# Allegro board RK3576_TEMPLATE_LP4XD200P132SD6_24X34_2133MHz_H1R0_V11_20240529YWQ.brd (continued)
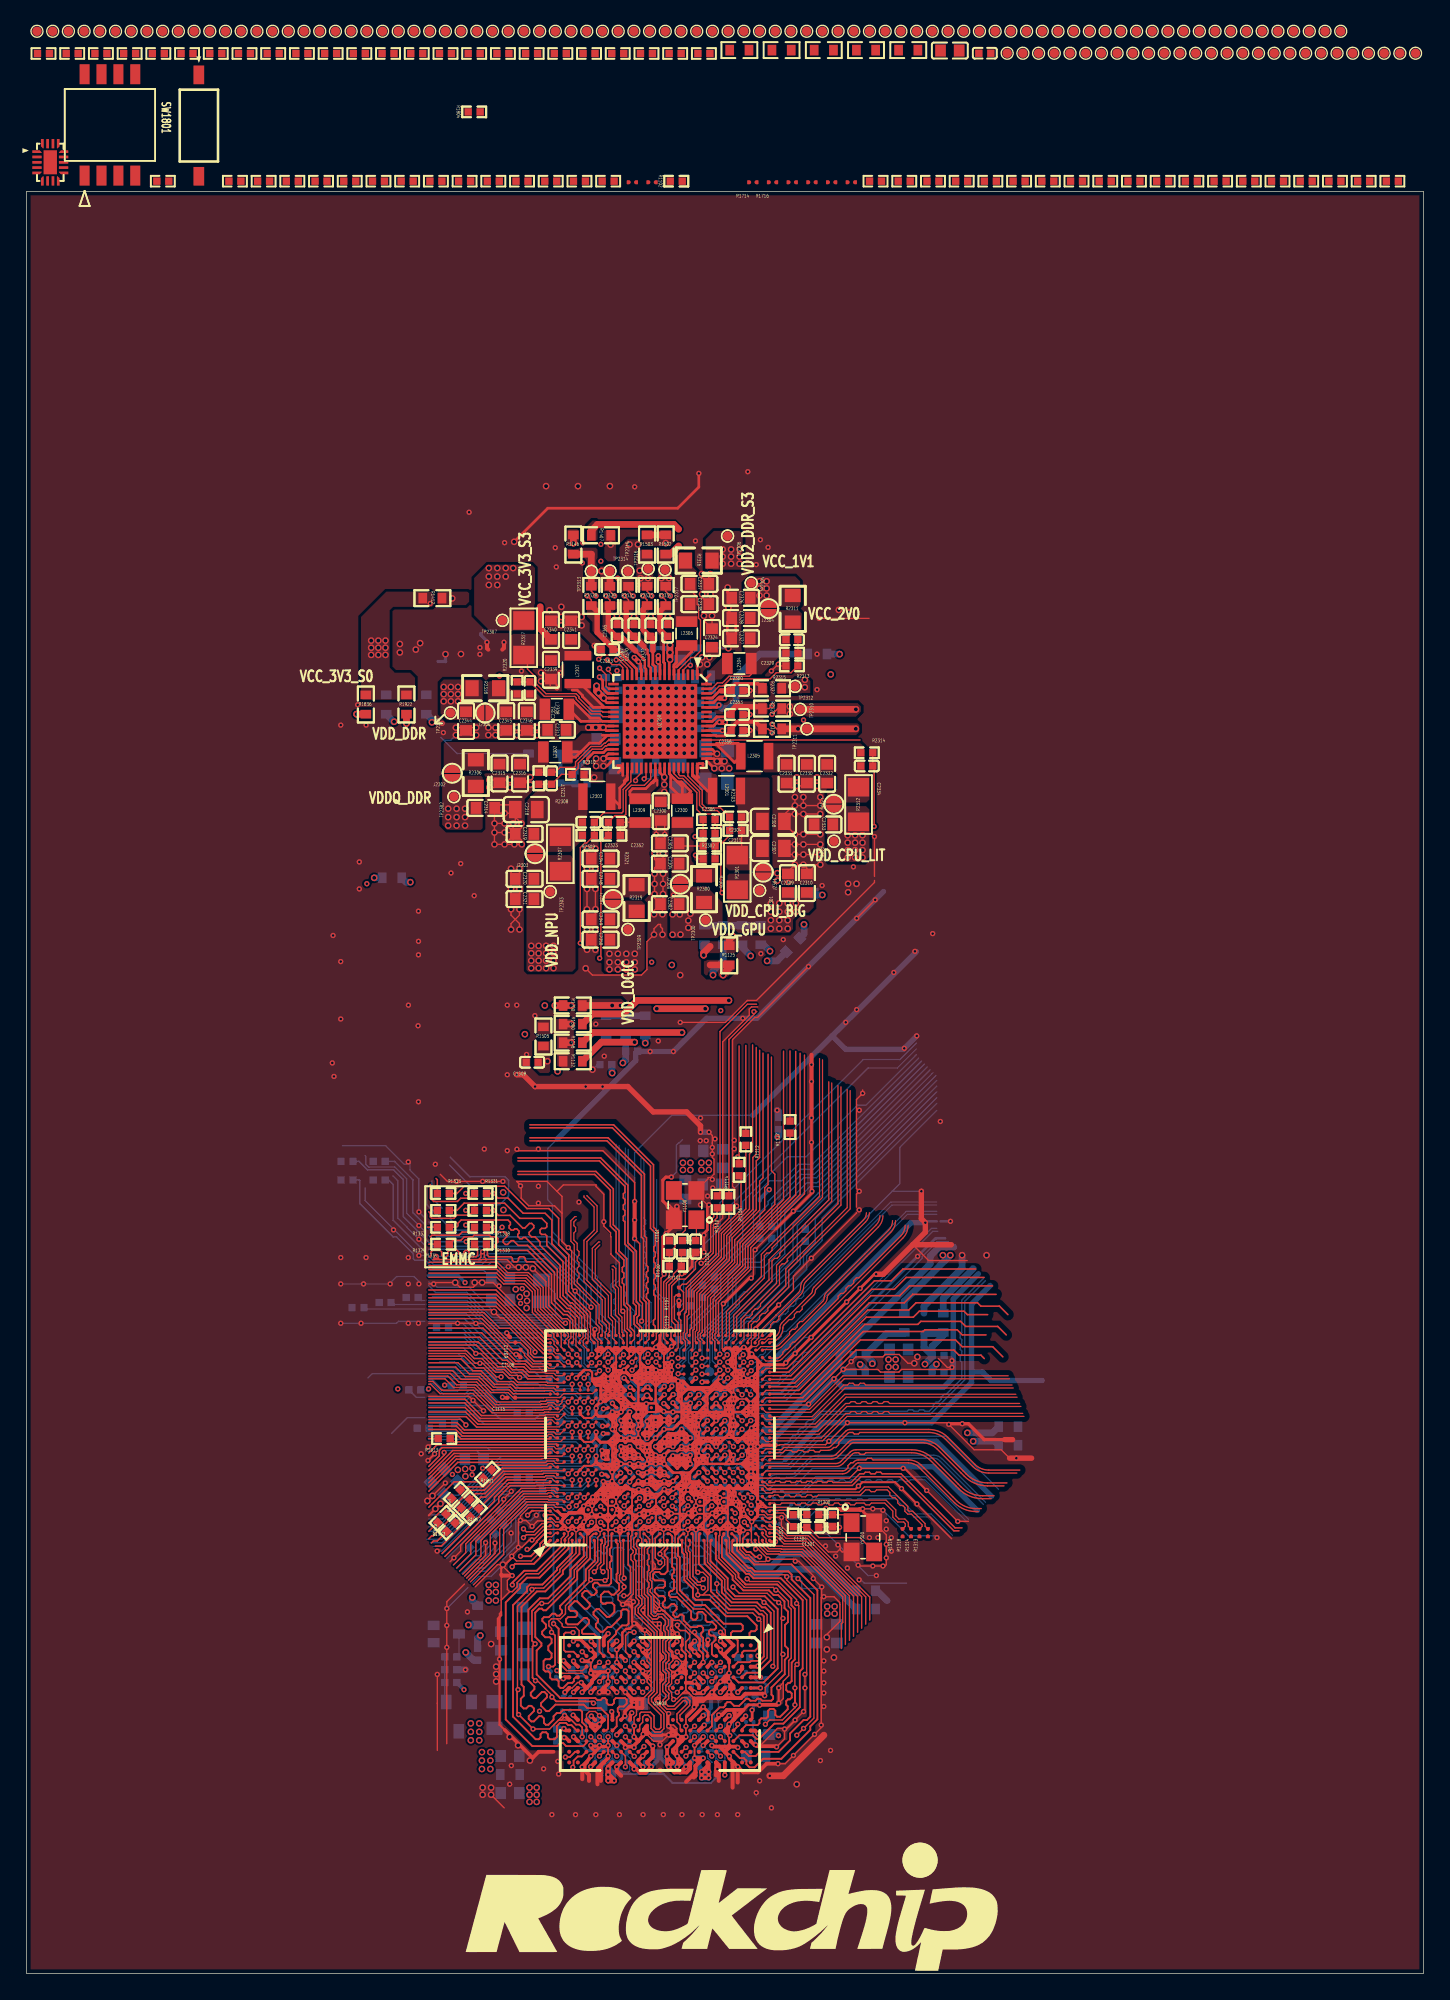
[diagram p0: board, top side]
## Routing (per net, layer and track width the routed paths; a pad name or vN(x,y) marks a point on that pad's centre or on a via; arc(x,y) is an arc through that point) (continued)
PWRON_L: length 2.6
  TOP w0.102: U2300.4 49.38,98 49.72,98.35 v1(49.91,98.35)
  BOTTOM w0.102: v1(49.91,98.35) 49.91,99.06 C2369.1
RESET_L: length 37.7
  TOP w0.102: v1(46.44,89.81) 46.57,89.95 U2300.40 ; 54.9,72.31 v1(54.69,72.31) 54.69,72.1 52.81,70.22 R1106.2
  L4-SIG w0.102: v1(46.44,89.81) 46.44,89.2 48.64,87 48.64,81.59 50.9,79.33 50.9,77.14 52.83,75.21 52.83,74.17 v1(54.69,72.31)
  BOTTOM w0.102: C2366.1 46.85,89.81 v1(46.44,89.81)
RTC_INT_L: length 16
  TOP w0.102: 54.89,72.87 54.2,72.87 52.14,70.81 52.14,58.68 R1110.2
SAI1_LRCK_M0: length 1.8
  BOTTOM w0.102: 32.09,30.71 33.33,31.94 R1806.2
SAI1_MCLK_M0: length 4.5
  BOTTOM w0.102: 31.59,31.21 34.5,34.12 R1802.2
SAI1_SCLK_M0: length 4.1
  BOTTOM w0.102: 32.55,30.25 33.71,31.4 34.07,31.4 34.87,32.2 34.87,32.66 R1803.2
SARADC_AVDD1V8: length 37.1
  TOP w0.203: v1(43.37,42.45) 43.64,42.45 U1000.2A10
  L4-SIG w0.178: v1(43.37,42.45) 43.05,42.13 40.87,42.13 40.26,42.74 39.92,42.74
  L4-SIG w0.508: 33.26,68.33 33.26,62.75 33.66,62.36 33.66,54.51 32.97,53.82 v1(32.97,51.94) 32.97,48.82 36.43,45.36 37.3,45.36 39.92,42.74
  BOTTOM w0.254: v1(32.97,51.94) 32.46,52.45 30.22,52.45
  BOTTOM w0.305: v1(43.37,42.45) 43.37,42.38 43.12,42.12 C1116.1
SARADC_VIN0_BOOT: length 10.6
  TOP w0.102: 30.24,49.23 34.24,49.23 35.05,48.42 36.58,46.89 37.13,46.89 C1108.1 37.44,46.58 37.44,46.46 38.07,45.83 39.3,45.83 U1000.A25
SARADC_VIN1_KEY/RECOVERY: length 12
  TOP w0.102: U1000.1A22 40.05,46.03 38.15,46.03 37.69,46.49 37.69,46.86 37.12,47.44 C1109.1 36.32,47.44 34.27,49.49 30.24,49.49
SARADC_VIN2_HW_ID: length 11.2
  TOP w0.102: U1000.1B19 v1(41.02,44.3)
  BOTTOM w0.102: 31.06,45.97 32.17,45.97 32.63,45.52 35.85,45.52 36.99,44.38 C1110.1 38.41,44.38 38.62,44.17 40.9,44.17 v1(41.02,44.3)
SARADC_VIN3_HP_HOOK: length 13.4
  TOP w0.102: v1(41.63,44.3) U1000.1C19
  BOTTOM w0.102: 30.24,45.54 32.18,45.54 32.41,45.32 35.71,45.32 37.06,43.96 41.51,43.96 41.66,43.81 41.83,43.81 C1111.1 41.95,43.97 v1(41.63,44.3)
SARADC_VIN4: length 13.8
  TOP w0.102: U1000.1E18 v1(42.53,42.96)
  BOTTOM w0.102: 30.24,45.34 32.1,45.34 32.32,45.11 34.91,45.11 35.53,44.49 36.25,44.49 36.98,43.76 41.33,43.76 41.76,43.33 C1112.1 42.53,43.05 v1(42.53,42.96)
SARADC_VIN5: length 14.5
  TOP w0.102: U1000.1D19 v1(42.23,44.3)
  BOTTOM w0.102: 30.24,48.13 32.86,48.13 33.82,47.18 36.98,47.18 38.18,45.97 38.61,45.97 39.24,45.34 41.81,45.34 42.41,44.74 C1113.1 42.41,44.48 v1(42.23,44.3)
SARADC_VIN6: length 13.5
  TOP w0.102: U1000.1D21 v1(41.93,44.76)
  BOTTOM w0.102: v1(41.93,44.76) 41.58,45.11 38.97,45.11 38.48,45.59 38.06,45.59 C1114.1 37.15,46.5 37.15,46.71 36.91,46.96 33.74,46.96 32.93,47.77 30.24,47.77
SARADC_VIN7_LCD_ID: length 13.7
  TOP w0.089: 38.86,43.29 39.12,43.29 40.08,43.29 40.38,43.59 42.56,43.59 U1000.1E19
  TOP w0.102: 30.24,45.31 32.03,45.31 32.68,44.66 33.93,44.66 34.92,43.67 36.21,43.67 36.59,43.28 C1115.1 38.85,43.28 38.86,43.29
SDMMC0_CLK/UART5_TX_M2/I2C5_SCL_M0: length 10
  BOTTOM w0.114: 30.24,47.06 32.83,47.06 33.63,46.25 36.05,46.25 37.06,45.23 38.21,45.23 38.76,44.68 R1353.2
SDMMC0_CMD/UART5_RX_M2/I2C5_SDA_M0: length 11.4
  TOP w0.089: U1000.1A21 40.31,44.94 39.81,44.94 39.64,45.11 39.07,45.11 39,45.19
  TOP w0.114: 30.24,47.83 34.07,47.83 35.79,46.1 36.12,46.1 36.62,45.6 37.39,45.6 37.8,45.19 39,45.19
SDMMC0_D0/CAN0_RX_M0: length 10.9
  TOP w0.089: U1000.B24 39.83,45.3 39.17,45.3 39.07,45.41
  TOP w0.114: 30.24,48.17 34.21,48.17 36.02,46.36 36.17,46.36 36.71,45.82 37.48,45.82 37.89,45.41 39.07,45.41
SDMMC0_D1/CAN0_TX_M0: length 11
  TOP w0.089: U1000.B25 39.66,45.49 39.26,45.49 39.13,45.62 39.12,45.62
  TOP w0.114: 39.12,45.62 37.98,45.62 37.57,46.03 36.8,46.03 34.32,48.51 30.24,48.51
SDMMC0_D2/JTAG_TCK_M0: length 10.2
  TOP w0.114: U1000.A23 39.34,44.7 37.68,44.7 37.21,45.17 36.44,45.17 36,45.61 35.43,45.61 33.8,47.24 30.24,47.24
SDMMC0_D3/JTAG_TMS_M0: length 10.9
  TOP w0.089: U1000.B23 39.77,44.66 39.5,44.93 39.13,44.93 39.11,44.91
  TOP w0.114: 30.24,47.48 33.95,47.48 35.59,45.85 36.07,45.85 36.53,45.39 37.3,45.39 37.77,44.91 39.11,44.91
SDMMC0_DET_L: length 18
  BOTTOM w0.114: 67.29,68.59 59.15,60.45 58.18,60.45 55.75,58.03 55.75,57.82 55.14,57.21 R1117.2
SDMMC0_PWREN_H: length 25.2
  TOP w0.089: U1000.1Y24 51.74,46.94 51.74,47.52 51.57,47.69 51.57,48.15 51.62,48.2 51.62,48.39
  TOP w0.102: 57.83,69.31 57.83,58.52 54.05,54.74 54.05,53.1 51.62,50.68 51.62,48.39
SDMMC1_CLK_M0: length 10.1
  BOTTOM w0.114: 30.24,49.24 32.91,49.24 34.35,47.79 38.55,47.79 R1813.2
SDMMC1_CMD_M0: length 11.3
  TOP w0.102: U1000.B26 39.8,46.31 39.52,46.58 39.24,46.58
  TOP w0.114: 30.24,50.14 35.31,50.14 38.85,46.6 39.23,46.6 39.24,46.58
SDMMC1_D0_M0: length 10.6
  TOP w0.114: 30.24,51.05 35.31,51.05 38.49,47.88 38.49,47.87 38.95,47.41 U1000.A28
SDMMC1_D1_M0: length 11.8
  TOP w0.089: U1000.B27 39.92,47.03 39.66,47.3 39.66,47.51 39.47,47.69 39.25,47.69
  TOP w0.114: 39.25,47.69 38.97,47.69 38.7,47.96 38.7,47.97 35.29,51.38 30.24,51.38
SDMMC1_D2_M0: length 12.2
  TOP w0.089: U1000.1A23 40.09,46.59 39.81,46.59 39.64,46.76 39.64,46.97 39.49,47.13 39.24,47.13
  TOP w0.114: 30.24,50.79 35.27,50.79 38.28,47.79 38.28,47.78 38.93,47.13 39.24,47.13
SDMMC1_D3_M0: length 10.6
  TOP w0.114: U1000.A27 38.9,46.86 38.06,47.69 35.31,50.45 30.24,50.45
TP_INT_L: length 27.7
  TOP w0.102: U1000.1AA22 v1(52.72,45.36)
  BOTTOM w0.102: v1(52.72,45.36) 53.06,45.69 53.06,46.61 52.66,47 52.66,47.53 54.15,49.02 54.75,49.02 58.65,52.92 58.65,53.93 59.82,55.1 59.82,56.8 68.44,65.42
TP_RST_L: length 30.4
  TOP w0.102: v1(50.79,46.26) U1000.1W23
  BOTTOM w0.102: 67.94,67.94 59.48,59.47 arc(59.44,59.45) 59.39,59.44 58.71,59.44 arc(58.66,59.43) 58.62,59.4 56.75,57.53 arc(56.72,57.49) 56.71,57.44 56.71,54.36 55.44,53.09 54.1,53.09 53.34,52.32 53.34,50.28 arc(53.33,50.23) 53.3,50.19 50.83,47.71 arc(50.8,47.67) 50.79,47.62 v1(50.79,46.26)
TSADC_CTRL_M0: length 4.6
  TOP w0.089: U1000.1R24 48.99,47.03 48.99,48.39
  TOP w0.102: 48.99,48.39 48.99,48.92 48.71,49.21 48.71,50.87 48.85,51.01 R1107.2
TYPEC_DPTX_AUX_PUPDCTL1: length 10.6
  TOP w0.089: U1000.B22 39.83,44.2 39.09,44.2 39.04,44.25
  TOP w0.102: 39.04,44.25 36.84,44.25 36.6,44.49 35.39,44.49 34.36,45.52 33.8,45.52 32.91,46.41 30.24,46.41
TYPEC_DPTX_AUX_PUPDCTL2: length 10.7
  TOP w0.089: 39,43.01 39.09,43.1 39.83,43.1 U1000.B20
  TOP w0.102: 39,43.01 38.63,43.01 38.58,42.96 35.34,42.96 33.84,44.46 32.5,44.46 31.85,45.11 30.24,45.11
UART0_RX_M0_DEBUG: length 24
  TOP w0.089: 50.4,48.36 50.28,48.24 50.28,47.5 U1000.AA28
  TOP w0.102: 50.4,48.36 50.4,51.18 52.84,53.62 52.84,55.39 54.86,57.41 54.86,61.09 55.12,61.34 55.12,69.4
UART0_TX_M0_DEBUG: length 24.8
  TOP w0.089: 50.09,48.33 50.09,46.93 U1000.1U24
  TOP w0.102: 54.86,69.61 54.86,61.59 54.61,61.34 54.61,57.44 52.64,55.47 52.64,53.71 50.2,51.26 50.2,48.43 50.09,48.33
UFS_AVDD0V85: length 18.8
  TOP w0.229: U1000.2N2 v1(51.85,37.01)
  BOTTOM w0.305: v1(51.85,37.01) 51.85,36.66 C1302.1 51.74,36.6 51.03,35.89 51.03,33.04 C1303.1
  BOTTOM w0.508: R1320.1 59.39,30.38 56.8,30.38 56.39,29.98 54.73,29.98 54.23,30.48 53.59,30.48 C1303.1
UFS_AVDD1V8: length 17.3
  TOP w0.229: U1000.2P2 v1(52.5,37.01)
  BOTTOM w0.305: v1(52.5,37.01) 52.5,36.72 C1305.1 52.69,36.45 52.69,32.88 C1306.1
  BOTTOM w0.508: R1323.1 62.04,28.77 59.26,31.54 56.96,31.54 56.01,30.59 55.01,30.59 54.48,31.12 53.93,31.12 52.53,32.51 C1306.1
UFS_RX0N: length 14.1
  TOP w0.089: U1000.AL7 55.92,35.9 56.16,35.9 56.22,35.97 56.5,35.97 56.63,35.83 56.91,35.83 57.05,35.97 57.33,35.97 57.46,35.83 57.74,35.83 57.88,35.97 58.16,35.97 58.29,35.83 58.57,35.83 58.7,35.97 58.98,35.97 59.12,35.83 59.4,35.83 59.53,35.97 62.7,35.97 63.08,36.35 63.36,36.35 63.5,36.22 63.78,36.22 63.91,36.35 64.71,36.35 64.91,36.15 64.91,35.96 65.1,35.77 65.3,35.77 65.49,35.57 65.49,35.38 65.69,35.18 65.88,35.18 66.04,35.02 66.04,34.75 66.26,34.53 66.53,34.53 67.34,33.73 67.34,33.61 R1314.1
UFS_RX0P: length 14.3
  TOP w0.089: R1313.1 67.56,33.62 67.56,33.82 66.63,34.75 66.35,34.75 66.26,34.84 66.26,35.11 64.8,36.58 62.99,36.58 62.61,36.19 56.13,36.19 56.07,36.13 55.61,36.13 U1000.AK8
UFS_RX1N: length 12.5
  TOP w0.089: U1000.AL6 55.93,35.36 56.25,35.36 56.36,35.24 56.67,35.24 56.78,35.36 57.73,35.36 57.86,35.23 58.14,35.23 58.27,35.36 58.55,35.36 58.69,35.23 58.97,35.23 59.1,35.36 59.38,35.36 59.52,35.23 59.8,35.23 59.93,35.36 60.21,35.36 60.36,35.21 60.62,35.21 60.77,35.36 61.04,35.36 61.16,35.24 61.43,35.24 61.55,35.36 61.83,35.36 61.97,35.23 62.25,35.23 62.38,35.36 62.97,35.36 63.11,35.23 63.39,35.23 63.52,35.36 64.53,35.36 65.13,34.75 65.13,34.31 65.5,33.94 65.95,33.94 66.07,33.81 66.07,33.62 R1319.1
UFS_RX1P: length 12.6
  TOP w0.089: U1000.AK7 55.6,35.58 64.62,35.58 65.36,34.85 65.36,34.4 65.59,34.16 66.04,34.16 66.3,33.91 66.3,33.62 R1318.1
UFS_SOC_REFCLK: length 1.5
  TOP w0.102: v1(56.21,33.92) 56.2,33.93 55.6,33.93 U1000.AK4
  BOTTOM w0.114: v1(56.21,33.92) 56.35,33.78 R1306.1
UFS_SOC_RSTN: length 1.2
  TOP w0.114: v1(53.97,33.92) 53.97,33.91 U1000.1AD2
  BOTTOM w0.114: R1304.1 54.45,33.45 53.98,33.91 53.98,33.91 v1(53.97,33.92)
UFS_TX0N: length 3
  TOP w0.089: v1(53.92,35.76) U1000.1AC6
  BOTTOM w0.089: R1305.1 56.03,36.09 54.25,36.09 53.92,35.76 v1(53.92,35.76)
UFS_TX0P: length 2.4
  TOP w0.089: v1(54.53,35.76) U1000.1AD6
  BOTTOM w0.089: v1(54.53,35.76) 54.63,35.87 55.2,35.87 55.33,35.73 55.61,35.73 55.75,35.87 56.03,35.87 R1303.1
UFS_TX1N: length 3.5
  TOP w0.089: U1000.1AD5 v1(54.48,35.2)
  BOTTOM w0.089: R1309.1 57.3,35.05 54.63,35.05 54.48,35.2 v1(54.48,35.2)
UFS_TX1P: length 3.8
  TOP w0.089: U1000.1AD4 v1(54.48,34.6)
  BOTTOM w0.089: v1(54.48,34.6) 54.7,34.83 55.19,34.83 55.32,34.69 55.6,34.69 55.74,34.83 56.02,34.83 56.15,34.69 56.43,34.69 56.56,34.83 57.3,34.83 R1307.1
UFS_TX_D0N: length 16
  BOTTOM w0.089: 70.82,34.14 67.63,37.34 59.31,37.34 58.06,36.09 56.99,36.09 R1305.2
UFS_TX_D0P: length 16.8
  BOTTOM w0.089: R1303.2 56.99,35.87 58.15,35.87 58.35,36.06 58.54,36.06 58.74,36.26 58.74,36.45 59.4,37.11 59.81,37.11 59.94,36.98 60.22,36.98 60.36,37.11 60.64,37.11 60.77,36.98 61.05,36.98 61.18,37.11 61.46,37.11 61.6,36.98 61.88,36.98 62.01,37.11 62.59,37.11 62.73,36.98 63,36.98 63.14,37.11 63.42,37.11 63.55,36.98 63.83,36.98 63.97,37.11 64.25,37.11 64.38,36.98 64.66,36.98 64.8,37.11 65.07,37.11 65.21,36.98 65.49,36.98 65.62,37.11 65.9,37.11 66.04,36.98 66.32,36.98 66.45,37.11 67.53,37.11 70.66,33.98
UFS_TX_D1N: length 13.2
  BOTTOM w0.089: R1309.2 58.26,35.05 58.42,35.05 59.28,35.91 65.44,35.91 66.8,34.54 68.01,34.54 69.62,32.93
UFS_TX_D1P: length 13.5
  BOTTOM w0.089: R1307.2 58.26,34.83 58.51,34.83 59.37,35.69 60.3,35.69 60.44,35.55 60.72,35.55 60.85,35.69 61.13,35.69 61.27,35.55 61.55,35.55 61.68,35.69 61.96,35.69 62.1,35.55 62.37,35.55 62.51,35.69 62.79,35.69 62.92,35.55 63.2,35.55 63.34,35.69 65.34,35.69 66.71,34.32 67.91,34.32 69.46,32.78
UFS_TX_REXT: length 0.9
  TOP w0.102: U1000.2R2 v1(53.15,37.01)
  BOTTOM w0.305: v1(53.15,37.01) 53.4,36.76 R1301.1
USB2_HOST1_DM: length 28.9
  TOP w0.107: U1000.2T5 v1(53.8,39.61)
  BOTTOM w0.107: v1(53.8,39.61) 54.04,39.37 54.22,39.37 54.47,39.12 54.78,39.12 54.89,39.23 55.2,39.23 55.31,39.12 55.62,39.12 55.74,39.23 56.04,39.23 56.16,39.12 56.49,39.12 56.82,39.44 56.82,39.61 57.04,39.83 57.2,39.83 57.42,40.04 57.42,40.21 57.63,40.42 57.8,40.42 58.01,40.64 58.01,40.8 58.23,41.02 58.39,41.02 58.61,41.23 58.61,41.4 58.83,41.61 58.99,41.61 59.64,42.26 66.21,42.26 66.32,42.37 66.62,42.37 66.73,42.26 67.04,42.26 67.14,42.37 67.45,42.37 67.55,42.26 67.86,42.26 68.18,42.58 68.18,42.73 68.39,42.95 68.54,42.95 68.76,43.16 68.76,43.31 68.98,43.53 69.13,43.53 70.32,44.72 70.32,45.96 70.2,46.08 70.2,46.38 70.32,46.5 70.32,46.8 70.2,46.92 70.2,47.22 70.32,47.34 70.32,47.65 70.2,47.76 70.2,48.07 70.32,48.18 70.32,50.62 71.93,52.24
USB2_HOST1_DP: length 27.9
  TOP w0.107: U1000.2T4 v1(53.8,38.96)
  BOTTOM w0.107: 72.09,52.08 70.54,50.53 70.54,44.63 67.95,42.04 59.73,42.04 56.59,38.89 54.38,38.89 54.12,39.15 53.99,39.15 v1(53.8,38.96)
USB2_OTG0_DM: length 17.1
  TOP w0.107: 70.33,33.5 69.81,33.5 65.75,37.56 64.33,37.56 64.22,37.68 63.91,37.68 63.79,37.56 63.49,37.56 63.37,37.68 63.07,37.68 62.95,37.56 62.65,37.56 61.99,36.91 60.65,36.91 60.56,37 60.26,37 60.17,36.91 59.86,36.91 59.77,37 59.47,37 59.38,36.91 59.08,36.91 58.99,37 58.68,37 58.59,36.91 58.29,36.91 58.2,37 57.89,37 57.81,36.91 57.5,36.91 57.41,37 57.11,37 57.02,36.91 56.71,36.91 56.62,37 56.32,37 56.23,36.91 55.93,36.91 U1000.AL9
USB2_OTG0_DP: length 16.9
  TOP w0.102: 55.95,36.68 55.76,36.68 55.49,36.96 U1000.AK9
  TOP w0.107: 55.95,36.68 62.08,36.68 62.74,37.34 65.66,37.34 69.72,33.28 70.11,33.28
USB2_OTG0_ID: length 3.1
  TOP w0.102: U1000.2R6 v1(53.15,39.61)
  BOTTOM w0.089: TP1400.1 55.46,39.97 53.27,39.97 53.15,39.84 v1(53.15,39.61)
USB2_OTG0_REXT: length 1.3
  TOP w0.102: U1000.2R3 v1(53.15,37.66)
  BOTTOM w0.089: R1401.1 53.62,38.13 v1(53.15,37.66)
USB2_OTG0_VBUSDET: length 24
  TOP w0.102: U1000.2P3 v1(52.5,37.66)
  BOTTOM w0.089: v1(52.5,37.66) 52.84,38 53.22,38 53.65,38.42 54.89,38.42 C1404.1
  BOTTOM w0.102: C1404.1 55.14,38.18 57.23,38.18 59.44,40.39 69.09,40.39 73.08,36.4
USB2_OTG1_ID: length 2.8
  TOP w0.102: U1000.2T9 v1(53.8,41.56)
  BOTTOM w0.089: v1(53.8,41.56) 53.89,41.56 54.22,41.88 54.57,41.88 54.78,42.09 55.37,42.09
  BOTTOM w0.102: TP1401.1 55.44,42.09 55.37,42.09
USB2_OTG1_REXT: length 1.1
  TOP w0.102: U1000.2U8 v1(54.45,41.56)
  BOTTOM w0.089: v1(54.45,41.56) 54.71,41.56 R1402.1
USB2_OTG1_VBUSDET: length 21.4
  TOP w0.102: U1000.2T10 v1(53.8,42.86)
  BOTTOM w0.102: 69.31,55.01 68.46,55.01 67.35,53.9 67.35,53.76 56.89,43.31 55.47,43.31 C1409.1 54.69,42.53 54.13,42.53 v1(53.8,42.86)
USB2_OTG_AVDD1V8: length 31
  TOP w0.229: U1000.2P4 v1(52.5,38.96)
  L4-SIG w0.089: 53.47,39.28 53.28,39.28 ; 53.47,39.28 53.47,39.1 ; 53.47,39.28 53.67,39.28 ; 53.28,39.28 53.02,39.28 ; 53.28,39.28 53.47,39.1 ; 53.47,39.09 53.47,39.1 ; 53.48,39.09 53.67,39.28 ; 53.47,39.09 53.47,38.82 ; 53.93,39.28 53.67,39.28 ; 53.93,39.28 54.19,39.28 54.23,39.24 ; 53.93,39.28 54.23,38.99 ; 53.34,38.62 53.47,38.75 53.47,38.82 ; 53.02,39.28 52.62,39.28 52.5,39.16 v1(52.5,38.96) ; 53.02,39.28 52.69,38.96 52.66,38.96 ; 53.47,38.82 53.68,38.62
  L4-SIG w0.102: 57.46,39.07 57.38,38.99 54.7,38.99 54.62,39.07 54.41,39.07 54.23,39.24
  L4-SIG w0.127: 53.01,38.62 53.94,38.62 54.23,38.9 54.23,39.24 ; 53.01,38.62 52.66,38.96 v1(52.5,38.96) 52.5,38.74 52.63,38.62 53.01,38.62
  L4-SIG w0.508: v2(67.55,45.81) 60.82,39.07 57.46,39.07
  BOTTOM w0.305: v1(52.5,38.96) 52.66,38.8 C1406.1
  BOTTOM w0.508: v2(67.55,45.81) 68.09,46.35 C1407.1 ; C1407.1 67.47,47.07 67.47,48.11 68.92,48.11 68.92,47.97 68.09,47.13 C1407.1
USB2_OTG_AVDD3V3: length 24.6
  TOP w0.229: v1(52.45,40.91) 52.45,40.91 52.45,40.86 U1000.2P7
  BOTTOM w0.203: 55.5,40.88 54.83,40.21 53.17,40.21 C1408.1
  BOTTOM w0.305: C1408.1 52.79,40.57 52.45,40.91 v1(52.45,40.91)
  BOTTOM w0.508: 55.5,40.88 56,40.88 61.09,45.97 61.09,46.49 67.94,53.35 67.94,53.92 68.63,54.61 69.71,54.61
  vias: v2(32,103.38)
USB2_OTG_DVDD0V75: length 95.2
  TOP w0.203: v1(52.5,39.61) U1000.2P5
  L4-SIG w0.089: 55.37,39.95 55.36,39.97
  L4-SIG w0.102: 55.37,39.98 55.52,40.13 57.28,40.13 57.53,39.88 56.93,39.88 56.41,39.36 56.12,39.36 55.75,39.72
  L4-SIG w0.152: 55.37,39.98 55.36,39.97 52.86,39.97 v1(52.5,39.61)
  L4-SIG w0.508: 57.53,39.88 58.49,39.88 64.2,45.58 64.2,50.76 62.06,52.9 62.06,69.76 60.86,70.95 60.86,74.43 59.07,76.22 59.07,88.63 58.67,89.03 58.67,90.81 59.18,91.31 59.18,95 57.91,96.27 57.91,100.84 56.56,102.19 56.56,105.62 53.91,108.27 44.77,108.27 v2(43.91,107.42)
  BOTTOM w0.229: v1(52.5,39.61) 52.22,39.89 C1405.1
USB3_HOST_PWREN_H: length 14.4
  BOTTOM w0.102: 68.44,66.28 58.55,56.39 R1109.2
USB3_OTG0/DP_TX_AVDD0V85: length 21.3
  TOP w0.229: U1000.2M5 51.2,39.61 v1(51.25,39.61) 51.52,39.33 U1000.2N5
  L4-SIG w0.102: 55.54,40.6 55.33,40.6
  L4-SIG w0.152: 54.89,40.28 51.93,40.28 v1(51.25,39.61) ; 54.89,40.28 55.21,40.6 55.33,40.6 55.02,40.28 54.89,40.28
  L4-SIG w0.508: v2(63.59,45.84) 58.36,40.6 55.54,40.6
  BOTTOM w0.254: v1(51.25,39.61) 51.02,39.84 C1400.1
  BOTTOM w0.508: 65.99,48.11 64.66,48.11 C1401.1 63.59,45.98 v2(63.59,45.84)
USB3_OTG0/DP_TX_AVDD1V8: length 61
  TOP w0.229: v1(51.88,38.96) 51.85,38.96 U1000.2N4
  L4-SIG w0.203: v1(51.88,38.96) 52.49,38.35 54.05,38.35 54.17,38.47 55.42,38.47
  L4-SIG w0.508: v2(59.83,81.08) 59.83,76.32 63.57,72.58 63.57,54.23 68.41,49.4 v2(68.41,45.81) 61.07,38.47 55.42,38.47
  BOTTOM w0.305: v1(51.88,38.96) 52.11,38.73 C1402.1
  BOTTOM w0.508: v2(59.83,81.08) 59.37,81.08 R1404.1 ; v2(68.41,45.81) 68.09,45.49 C1403.1
USB3_OTG0_DP_TX_REXT: length 0.9
  TOP w0.102: U1000.2T7 v1(53.8,40.91)
  BOTTOM w0.102: v1(53.8,40.91) 54.06,40.65 R1400.1
USB3_OTG0_SSRX1N/DP_TX_D0N: length 17.4
  TOP w0.098: U1000.AL10 55.93,37.56 61.37,37.56 arc(61.61,37.61) 61.81,37.74 62.39,38.32 arc(62.46,38.37) 62.54,38.38 66.29,38.38 arc(66.74,38.3) 67.12,38.04 67.35,37.81 69.47,35.69 69.77,35.39 arc(70.51,34.9) 71.37,34.72 71.56,34.72
USB3_OTG0_SSRX1P/DP_TX_D0P: length 18.4
  TOP w0.098: U1000.AK10 55.6,37.78 61.37,37.78 arc(61.52,37.81) 61.65,37.9 61.76,38.01 61.76,38.18 61.98,38.39 62.14,38.39 62.23,38.48 arc(62.37,38.57) 62.54,38.61 63.1,38.61 63.22,38.72 63.53,38.72 63.64,38.61 66.29,38.61 arc(66.82,38.5) 67.27,38.2 67.51,37.97 69.63,35.85 69.93,35.55 arc(70.59,35.1) 71.37,34.95 71.78,34.95
USB3_OTG0_SSRX2N/DP_TX_D2N: length 19.3
  TOP w0.098: U1000.AL12 55.93,38.66 60.5,38.66 arc(60.8,38.72) 61.05,38.89 61.95,39.79 arc(62.08,39.88) 62.23,39.91 67.27,39.91 arc(67.93,39.78) 68.49,39.4 70.26,37.63 70.51,37.38 arc(71.31,36.84) 72.26,36.65 73.49,36.65
USB3_OTG0_SSRX2P/DP_TX_D2P: length 20.1
  TOP w0.098: 73.71,36.88 72.26,36.88 arc(71.4,37.05) 70.67,37.54 70.42,37.78 68.64,39.56 arc(68.01,39.98) 67.27,40.13 62.23,40.13 arc(62,40.09) 61.8,39.95 60.89,39.04 arc(60.71,38.92) 60.5,38.88 55.6,38.88 U1000.AK12
USB3_OTG0_SSTX1N/DP_TX_D1N: length 19.2
  TOP w0.098: U1000.AK11 55.6,38.33 60.86,38.33 arc(61.05,38.37) 61.21,38.48 61.92,39.19 arc(62.12,39.32) 62.36,39.37 66.55,39.37 arc(67.4,39.2) 68.12,38.72 70.06,36.78 70.25,36.59 arc(71,36.09) 71.88,35.91 72.75,35.91
USB3_OTG0_SSTX1P/DP_TX_D1P: length 18.4
  TOP w0.098: U1000.AL11 55.93,38.11 60.86,38.11 arc(61.14,38.17) 61.37,38.32 62.08,39.03 arc(62.21,39.12) 62.36,39.15 62.57,39.15 62.68,39.03 62.99,39.03 63.1,39.15 66.55,39.15 arc(67.32,38.99) 67.97,38.56 69.89,36.63 70.1,36.43 arc(70.92,35.88) 71.88,35.69 72.52,35.69
USB3_OTG0_SSTX2N/DP_TX_D3N: length 21.2
  TOP w0.098: U1000.AK13 55.6,39.43 56.07,39.43 56.13,39.38 56.77,39.38 56.95,39.55 60.27,39.55 arc(60.37,39.57) 60.45,39.62 61.6,40.77 arc(61.74,40.86) 61.9,40.89 67.85,40.89 arc(68.61,40.74) 69.26,40.31 71.3,38.28 arc(71.77,37.96) 72.34,37.84 74.68,37.84
USB3_OTG0_SSTX2P/DP_TX_D3P: length 20.8
  TOP w0.098: U1000.AL13 55.88,39.15 56.87,39.15 57.04,39.32 57.49,39.32 57.61,39.21 57.91,39.21 58.03,39.32 58.33,39.32 58.45,39.21 58.75,39.21 58.87,39.32 59.18,39.32 59.29,39.21 59.6,39.21 59.71,39.32 60.27,39.32 arc(60.45,39.36) 60.61,39.47 60.68,39.54 60.85,39.54 61.06,39.76 61.06,39.92 61.75,40.61 arc(61.82,40.65) 61.9,40.67 62.12,40.67 62.24,40.55 62.54,40.55 62.66,40.67 67.85,40.67 arc(68.53,40.54) 69.11,40.15 71.14,38.12 arc(71.69,37.75) 72.34,37.62 74.45,37.62
USB_OTG0_PWREN_H: length 5.3
  TOP w0.102: 57.4,69.35 R1137.2
WIFI_WAKE_HOST_H: length 17.5
  BOTTOM w0.102: R1118.2 56.03,57.85 58.25,60.07 59.21,60.07 67.51,68.37
XIN_24M: length 12.7
  TOP w0.089: Y1100.3 49.53,58 49.53,55.88 49.28,55.63 49.02,55.63 48.77,55.37 48.77,54.64 C1101.1
  TOP w0.102: C1101.1 R1101.2 48.33,52.39 47.9,51.96 47.9,47.73 48.18,47.46 U1000.U28
XOUT_24M: length 6.8
  TOP w0.089: R1100.2 49.23,54.12 R1101.1
  TOP w0.102: U1000.U29 48.11,48.03 48.11,51.89 48.64,52.42 48.64,52.59 R1101.1
ZQ_A: length 1
  TOP w0.114: U1000.1R6 v1(48.54,35.77)
  BOTTOM w0.089: v1(48.54,35.77) 48.76,35.77 R1200.2
ZQ_B: length 0.9
  TOP w0.114: U1000.1J6 v1(44.97,35.8)
  BOTTOM w0.089: R1201.1 44.99,35.83 v1(44.97,35.8)
N15661080: length 2.4
  BOTTOM w0.305: C2361.2 D2301.2 40.14,90.43 R2330.1
N15663308: length 2.3
  TOP w0.102: U2300.16 45.17,98.13 44.54,98.76 v1(44.33,98.76)
  BOTTOM w0.102: TP2318.1 44.33,98.97 v1(44.33,98.76)
N19347246: length 2.6
  TOP w0.089: Y1100.1 50.37,55.16 C1100.1 R1100.1
N19625788: length 1
  TOP w0.102: U1000.1B21 v1(40.72,44.76)
  BOTTOM w0.114: v1(40.72,44.76) 40.64,44.68 R1353.1
N19625800: length 1.8
  TOP w0.114: U1000.1G23 v1(43.72,45.96)
  BOTTOM w0.114: v1(43.72,45.96) 43.39,46.3 43.39,46.94 R1310.1
N19628194: length 13
  TOP w0.102: U1000.1D18 v1(41.93,42.96)
  BOTTOM w0.102: 30.24,45.09 32.05,45.09 32.23,44.91 34.82,44.91 35.45,44.29 36.16,44.29 36.89,43.56 41.19,43.56 41.79,42.96 v1(41.93,42.96)
N19628195: length 5.8
  TOP w0.089: U1000.1E15 v1(42.53,41.16)
  BOTTOM w0.102: v1(42.53,41.16) 41.75,41.94 40.7,41.94 40.24,42.4 38.03,42.4 R1949.1
N19628229: length 3.9
  TOP w0.102: v1(42.83,37.1) U1000.1E7
  BOTTOM w0.102: v1(42.83,37.1) 42.43,36.7 42.16,36.7 41.8,36.34 39.71,36.34 R1951.1
N19628230: length 1
  TOP w0.102: U1000.1B12 v1(40.72,39.36)
  BOTTOM w0.102: R1952.1 40.69,39.32 v1(40.72,39.36)
N19628231: length 3.8
  TOP w0.102: U1000.1B7 v1(41.02,37.1)
  BOTTOM w0.102: v1(41.02,37.1) 40.5,37.1 40.26,37.34 37.86,37.34 R1953.1
N21004058: length 2.8
  TOP w0.102: Y1300.1 62.03,33.98 61.53,34.49 C1301.1 R1300.2
N21902615: length 1.3
  TOP w0.203: U3800.A5 v1(55.18,21.46)
  BOTTOM w0.203: v1(55.18,21.46) 55.14,21.46 R3802.2
N21902619: length 1.2
  TOP w0.203: U3800.A8 54.55,19.17 54.55,19.76 54.55,19.76 v1(54.55,19.79)
  BOTTOM w0.203: R3804.2 54.65,19.91 54.55,19.81 v1(54.55,19.79)
N30279606: length 3.4
  BOTTOM w0.102: R3811.1 C3845.1 R3810.2 31.45,20.51 Q3800.1
N30279662: length 1.8
  BOTTOM w0.102: R3811.2 32.51,23.96 Q3801.3

## Copper pours and planes (outline as drawn; the poured copper is in the pictures)
GND on TOP, BOTTOM, L2-GND, L3-POWER, L4-SIG, L5-GND: 0.3,0.3 0.3,133.68 104.72,133.68 104.72,0.3
VCC5V0_SYS_S5 on TOP: 47.17,87.81 47.17,88.69 47.53,89.05 47.53,89.05 47.62,89.11 47.67,89.19 47.68,89.2 47.72,89.24 47.73,89.26 47.73,89.89 47.88,90.04 47.98,90.04 48.13,89.89 48.13,87.96 48.22,87.87 48.11,87.76 47.22,87.76
VCC5V0_SYS_S5 on TOP: 42.58,90.67 42.59,90.73 42.6,90.78 42.58,90.87 42.55,90.95 42.55,90.96 42.55,91.27 42.76,91.48 43.38,91.48 43.45,91.49 43.53,91.52 43.56,91.54 43.66,91.44 43.66,90.68 43.53,90.55 42.67,90.55 42.58,90.65
VCC5V0_SYS_S5 on TOP: 50.29,98.68 50.83,99.22 50.88,99.3 50.9,99.4 50.9,99.72 51.05,99.87 51.05,100.08 52.05,100.08 52.05,99.06 50.87,97.89 50.87,97.55 50.86,97.53 50.67,97.53 50.67,98.04 50.57,98.14 50.35,98.14 50.32,98.18 50.29,98.2
VCC5V0_SYS_S5 on TOP: 51.18,90.94 51.18,91.03 51.28,91.13 51.58,91.13 51.58,91.74 51.67,91.83 51.81,91.68 51.91,91.78 52.16,91.78 53.04,90.89 53.04,90.45 52.97,90.37 51.75,90.37
VCC5V0_SYS_S5 on TOP: 40.11,93.09 40.11,93.98 40.13,94 41.45,94 41.52,93.93 41.7,93.93 41.75,93.88 42.89,93.88 42.92,93.86 42.92,93.5 42.85,93.42 41.67,93.42 41.22,92.97 40.87,92.97 40.87,92.96 40.23,92.96
VCC5V0_SYS_S5 on BOTTOM: 48.08,98.61 48.08,100.05 48.21,100.18 49.28,100.18 49.66,99.79 49.66,98.59 49.58,98.48 49.56,98.33 49.4,98.17 48.51,98.17
VCC5V0_SYS_S5 on BOTTOM: 51.55,91.18 51.69,91.31 51.69,92.35 52.03,92.69 52.08,92.71 53.09,92.71 53.32,92.49 53.32,89.15 53.06,88.9 52.17,88.9 51.68,89.39 51.68,90.28 51.68,90.32 51.66,90.36 51.66,90.42 51.55,90.54
VCC5V0_SYS_S5 on BOTTOM: 41.78,96.14 42.67,97.03 43.08,97.03 43.18,96.92 43.81,96.92 43.93,96.81 43.93,96 43.51,95.58 43.51,91.95 44.32,91.95 44.7,91.57 44.7,90.17 43.05,90.17 42.62,90.61 42.62,90.69 42.61,90.75 42.58,90.81 42.58,91.19 42.55,91.19 42.42,91.31 41.91,91.31 41.78,91.44
VCC5V0_SYS_S5 on BOTTOM: 50.25,98.43 50.25,98.93 50.48,99.16 52.35,99.16 52.81,98.7 52.81,95.76 52.68,95.63 52.36,95.63 52.24,95.72 52.09,95.76 52.08,95.76 52.03,95.8 52.02,95.82 51.96,95.93 51.84,95.98 51.82,95.98 51.79,96.01 51.41,96.01 51.28,96.14 51.28,97.2 51.32,97.2 51.32,97.83 51.28,97.83 51.28,97.92 51.03,98.17 50.63,98.17 50.59,98.18 50.55,98.18 50.41,98.18 50.26,98.33 50.26,98.39
VCC5V0_SYS_S5 on BOTTOM: 47.65,89.79 48.01,90.14 49.41,90.14 49.76,89.79 49.76,88.65 49.52,88.4 47.88,88.4 47.65,88.64
VCC5V0_SYS_S5 on L3-POWER: 53.09,91.31 51.56,92.84 51.56,95.5 51.69,95.63 52.58,95.63 52.7,95.76 52.7,98.55 51.05,100.2 48.26,100.2 48.01,99.95 48.01,98.55 47.62,98.17 45.72,98.17 44.96,98.93 44.96,105.79 49.66,110.49 50.67,110.49 51.05,110.87 51.05,113.67 51.12,113.73 51.12,114.81 48.13,117.79 48.13,127 30.99,127 28.19,124.21 28.19,108.46 29.46,107.19 36.2,107.19 36.96,106.43 36.96,102.23 36.39,101.66 36.39,97.6 39.37,94.61 39.37,92.2 43.05,88.52 48.26,88.52 50.04,90.3 52.96,90.3 53.09,90.42
VCC_1V1_NLDO_S3 on BOTTOM: 45.72,99.31 47.6,99.31 47.75,99.16 47.75,98.04 47.5,97.79 45.97,97.79 45.85,97.92 45.85,98.42 45.47,98.81 45.47,99.06
VCC_1V1_NLDO_S3 on L3-POWER: 47.5,98.3 45.97,98.3 45.21,99.06 45.21,105.66 49.78,110.24 58.8,110.24 60.96,108.08 60.96,105.79 60.71,105.54 59.69,105.54 56.77,108.46 51.18,108.46 49.66,106.93 49.66,102.11 47.75,100.2 47.75,98.55
